# Allegro board F429_PACK_V10A.brd (continued)
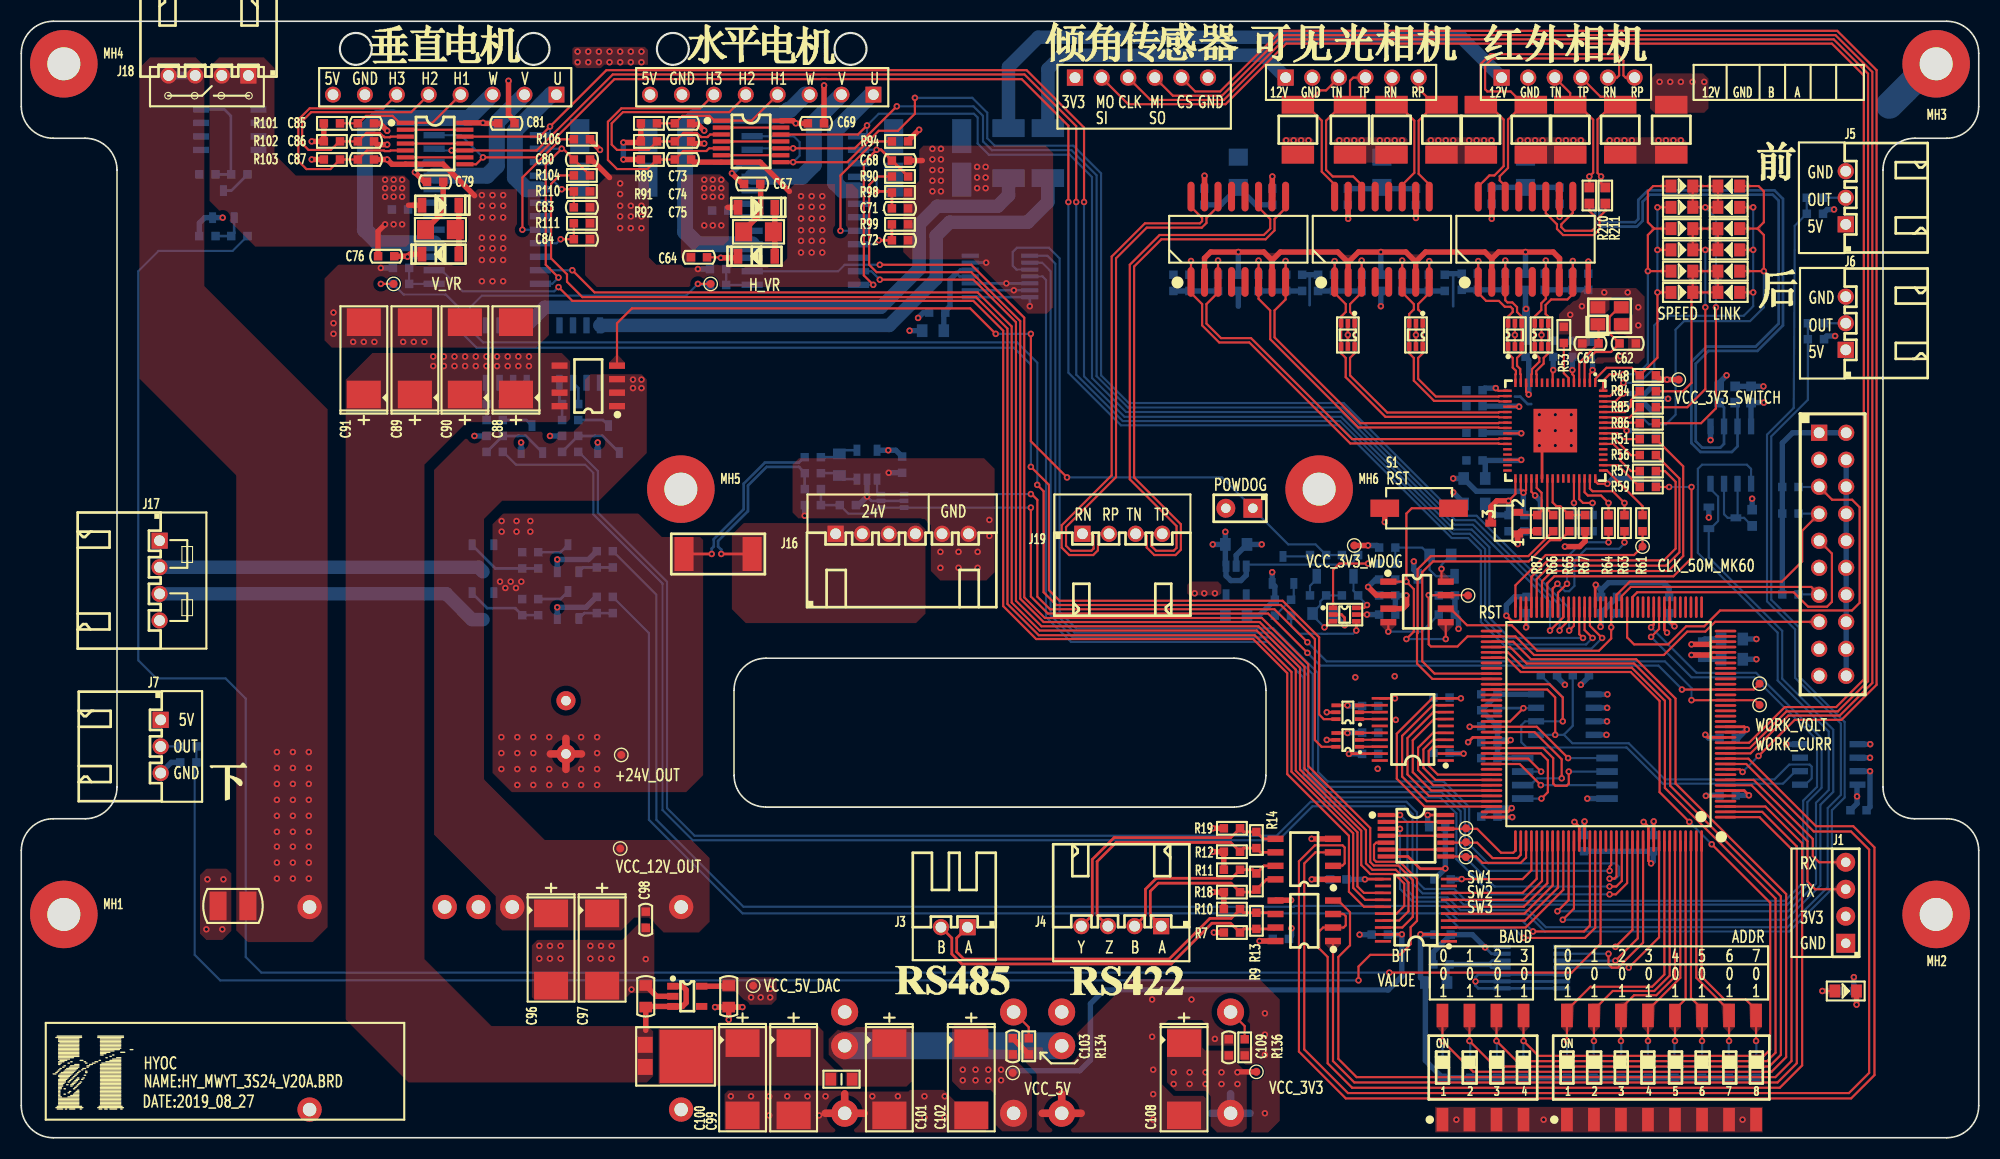
[diagram p0: board, top side]
## Routing (per net, layer and track width the routed paths; a pad name or vN(x,y) marks a point on that pad's centre or on a via; arc(x,y) is an arc through that point) (continued)
  TOP w0.203: J2.15 159.22,48.52 158.3,47.6 156.6,47.6 154.4,45.4 142.2,45.4 140.45,47.15 U2.74 135.95,47.15 135,46.2 132.5,46.2 132.3,46.4 v1(132.3,51.03) U12.7 135.97,51.03 TP3.1
  BOTTOM w0.203: R21.2 132.33,51 v1(132.3,51.03)
T_RXN: length 47
  TOP w0.203: T3.14 112.5,87.59 111.41,86.5 111.41,86.03 110.97,85.59 105.79,85.59 102.91,82.71 102.91,62.13 98.21,57.43 98.21,55.67 98.67,55.21 100.59,55.21 100.8,55.41 100.8,56.6 100.59,56.8 J19.1
T_RXP: length 48.3
  TOP w0.203: T3.16 109.95,87.55 111,86.5 111,86.2 110.8,86 105.62,86 102.5,82.87 102.5,62.3 97.8,57.6 97.8,55.5 98.5,54.8 100.76,54.8 101.2,55.24 101.2,56.6 101.41,56.8 J19.2
T_TXN: length 52.6
  TOP w0.203: T3.9 118.84,87.44 117.81,86.4 117.81,85.33 116.97,84.49 107.17,84.49 104.61,81.93 104.61,62.09 109,57.7 109,55.3 108.5,54.8 106.5,54.8 105.8,55.5 105.8,56.6 105.59,56.8 J19.3
T_TXP: length 51.3
  TOP w0.203: J19.4 106.41,56.8 106.2,56.6 106.2,55.67 106.67,55.21 108.33,55.21 108.59,55.47 108.59,57.53 104.2,61.93 104.2,82.1 107,84.9 116.8,84.9 117.4,85.5 117.4,86.4 116.31,87.5 T3.11
TXN1: length 15.2
  TOP w0.203: v1(145.84,82.45) T1.8 145.84,79.34 145.34,78.84 143.81,78.84 143.29,78.31 143.29,77.47 143.53,77.23 U16.4 U16.3 143.53,73.77 143.1,73.34 143.1,72.8 142.41,72.11 142.41,71.82 142.45,71.78 U15.12
  BOTTOM w0.203: R62.2 145.84,81.31 v1(145.84,82.45)
TXN2: length 29.8
  TOP w0.203: U15.22 138.91,67.75 138.87,67.8 128.23,67.8 124.5,71.53 124.5,73.34 124.06,73.77 U18.4 U18.3 124.06,77.23 124.5,77.66 124.5,78.4 123.45,79.44 T2.1 v1(123.45,82.44)
  BOTTOM w0.203: R68.2 123.45,81.22 v1(123.45,82.44)
TXN3: length 34.2
  TOP w0.203: v1(118.84,82.45) T3.8 118.84,78.84 117.81,77.8 117.81,75.27 125.87,67.2 138.87,67.2 138.91,67.25 U15.23
  BOTTOM w0.203: R79.2 118.84,81.22 v1(118.84,82.45)
TXN3_A: length 9.3
  TOP w0.203: T1.9 145.84,86.98 144.76,85.9 144.76,85.64 145.1,85.3 147.65,85.3 147.95,85.6 147.95,86.62 147.4,87.17 R210.1
TXP1: length 13.7
  TOP w0.203: U15.13 141.95,71.78 142,71.84 142,72.28 142.7,72.97 142.7,73.34 142.26,73.77 142.26,77.23 142.88,77.84 142.88,78.48 143.31,78.91 T1.6 v1(143.31,82.5)
  BOTTOM w0.203: R58.2 143.31,81.37 v1(143.31,82.5)
TXP2: length 29.2
  TOP w0.203: v1(126,82.5) T2.3 126,79.5 124.91,78.41 124.91,77.66 125.33,77.23 U18.1 U18.6 125.33,73.77 124.9,73.34 124.9,71.7 128.4,68.2 138.87,68.2 138.91,68.25 U15.21
  BOTTOM w0.203: v1(126,82.5) 126,81.17 R70.2
TXP3: length 34.9
  TOP w0.203: U15.24 138.91,66.75 138.87,66.8 125.7,66.8 117.4,75.1 117.4,77.8 116.31,78.89 T3.6 v1(116.31,82.5)
  BOTTOM w0.203: v1(116.31,82.5) 116.31,81.17 R77.2
TXP3_A: length 10.6
  TOP w0.203: R211.1 148.9,87.17 148.35,86.62 148.35,85.43 147.82,84.89 144.93,84.89 144.36,85.47 144.36,85.9 143.31,86.95 T1.11
UART1_RD#: length 93.6
  TOP w0.203: U2.3 163.95,31.15 167.4,27.7 167.4,6.8 165.3,4.7 125.1,4.7 122.8,7 122.8,17 122,17.8 122,19.4 122.37,19.77 U8.2 124.3,19.77 124.5,19.97 124.5,20.84 124.3,21.04 U8.3
UART1_RX: length 84.9
  TOP w0.203: U8.1 123.3,7.21 125.31,5.2 165.09,5.2 166.9,7.01 166.9,27.39 163.64,30.65 U2.2
UART1_TX: length 87.6
  TOP w0.203: U8.4 123.79,22.31 124.9,21.2 124.9,18.1 123.8,17 123.8,7.41 125.51,5.7 164.89,5.7 166.4,7.21 166.4,27.15 163.4,30.15 U2.1
UART3_RX: length 15.4
  TOP w0.203: J1.4 168.99,25.91 168.4,26.5 168.4,28.1 162.85,33.65 U2.8
UART3_TX: length 17.6
  TOP w0.203: U2.7 162.64,33.15 167.9,27.89 167.9,24.1 168.63,23.37 J1.3
UART4_RX: length 83.7
  TOP w0.203: U2.119 145.45,22.35 v1(144.4,21.3)
  BOTTOM w0.203: U45.1 162.6,62.9 162.2,63.3 158,63.3 157.6,62.9 157.6,61.46 157.61,61.45 157.61,60.95 157.6,60.94 157.6,55 165.1,47.5 165.1,43 169.9,38.2 169.9,32.7 168.7,31.5 168.7,23.9 166.1,21.3 v1(144.4,21.3)
UART4_TX: length 77.3
  TOP w0.203: U2.120 145.95,21.55 v1(144.9,20.5)
  BOTTOM w0.203: Q24.1 158.62,57.28 ; Q24.1 158.62,57.28 158.62,54.58 165.52,47.68 165.52,43.18 170.32,38.38 170.32,32.52 169.12,31.32 169.12,23.72 165.9,20.5 v1(144.9,20.5) ; Q24.1 158.78,57.28 159.5,58 159.5,60.3 158.79,61.01 U45.4
UART5_RX: length 121.3
  TOP w0.203: U9.2 123.33,25.6 124.2,25.6 124.4,25.8 124.4,27.3 124.2,27.5 121.6,27.5 120.1,26 120.1,8.1 124.5,3.7 172.01,3.7 174.2,5.89 174.2,27.3 172.2,29.3 168.7,29.3 162.35,35.65 U2.12
UART5_TX: length 114
  TOP w0.203: U2.11 162.14,35.15 168.49,28.8 172,28.8 173.7,27.1 173.7,6.1 171.8,4.2 124.71,4.2 120.6,8.31 120.6,25.79 121.65,26.84 U9.3
V_BRK: length 138.1
  TOP w0.203: U1.15 126.21,21.73 124.8,23.14 124.8,28.4 119,34.2 119,43.7 115.8,46.9 95.4,46.9 92.3,50 92.3,75.9 89.5,78.7 51.8,78.7 v1(50.5,80)
  BOTTOM w0.203: v1(50.5,80) 50.1,79.6 41.5,79.6 39.52,81.58 U21.14
V_DIAG: length 20.9
  TOP w0.203: v1(50.5,80.9) 49.3,82.1 49.3,91.52 v1(50.8,93.02) 50.92,93.02 C80.1 51.96,92 R104.2
  BOTTOM w0.203: U21.12 49.91,80.31 v1(50.5,80.9) ; v1(50.8,93.02) U21.2
V_EN: length 136.7
  TOP w0.203: R104.1 50.6,90.5 49.8,89.7 49.8,82.7 51.3,81.2 51.3,80.5 52.74,79.06 89.74,79.06 92.7,76.1 92.7,50.2 95.64,47.26 115.94,47.26 119.4,43.8 119.4,34.43 125.2,28.63 125.2,23.5 126.33,22.38 U1.14
V_ENCODER_CLK: length 110.6
  TOP w0.203: v1(149.3,23.63) 149.93,23.63 150.45,24.15 U2.129
  BOTTOM w0.203: U55.2 95.95,82.3 96.75,81.5 96.75,49.15 98.85,47.05 117.35,47.05 120.95,43.45 120.95,34.1 122.55,32.5 133.5,32.5 135.3,30.7 135.3,26.8 138.47,23.63 v1(149.3,23.63)
V_ENCODER_CSN: length 108.2
  TOP w0.203: U2.127 149.45,25.65 149.3,25.5 v1(149.3,25.1)
  BOTTOM w0.203: v1(149.3,25.1) 137.9,25.1 135.7,27.3 135.7,30.9 133.6,33 122.7,33 121.4,34.3 121.4,43.6 117.5,47.5 99,47.5 97.2,49.3 97.2,82.2 96.45,82.95 U55.1
V_ENCODER_MISO: length 117.2
  TOP w0.203: v1(149.3,24.36) 149.75,24.36 149.95,24.57 U2.128
  BOTTOM w0.203: U55.3 93.55,81.65 93.2,82 93.2,83.3 93.6,83.7 96.6,83.7 97.6,82.7 97.6,49.46 99.15,47.9 117.7,47.9 121.9,43.7 121.9,34.4 122.8,33.5 133.7,33.5 136.1,31.1 136.1,27.6 137.9,25.8 149.87,25.8 150.2,25.47 150.2,24.69 149.87,24.36 v1(149.3,24.36)
V_ENCODER_MOSI: length 111.2
  TOP w0.203: v1(149.3,22.89) 149.89,22.89 150.95,23.95 U2.130
  BOTTOM w0.203: v1(149.3,22.89) 138.21,22.89 134.9,26.2 134.9,30.5 133.4,32 122.43,32 120.53,33.9 120.53,43.27 117.17,46.63 98.67,46.63 96.33,48.97 96.33,80.67 96,81 U55.4
V_F/R: length 127.2
  TOP w0.203: v1(51.8,81.58) 53.88,79.5 89.9,79.5 93.1,76.3 93.1,50.33 95.73,47.7 116.13,47.7 119.8,44.03 119.8,34.53 125.6,28.73 125.6,23.64 126.21,23.02 U1.13
  BOTTOM w0.203: U21.11 v1(51.8,81.58)
V_H1: length 152
  TOP w0.203: U2.60 146.45,47.35 v1(146.8,47) ; v1(99.9,88) 99.9,95 94.5,100.4 55,100.4 v1(49.7,95.1) 48.75,94.15 U22.12
  BOTTOM w0.203: U21.1 49.5,94.28 49.7,94.49 v1(49.7,95.1) ; v1(146.8,47) 139.9,47 138,48.9 138,55.53 136.33,57.2 134.67,57.2 124.07,67.8 103.7,67.8 99.9,71.6 v1(99.9,88)
V_H2: length 155.2
  TOP w0.203: v1(99.16,88) 99.16,95.14 94.3,100 55.6,100 48.45,92.85 U22.10 v1(40.45,92.85) ; U2.59 146.95,47.75 v1(147.7,47)
  BOTTOM w0.203: v1(99.16,88) 99.16,71.77 103.53,67.4 123.97,67.4 134.57,56.8 136.17,56.8 137.6,55.37 137.6,48.7 139.91,46.39 147.09,46.39 v1(147.7,47) ; U21.23 38.97,92.85 v1(40.45,92.85)
V_H3: length 159.2
  TOP w0.203: U22.8 42.75,91.55 v1(43.4,92.2) 48.4,92.2 55.75,99.55 75.19,99.55 75.21,99.57 75.71,99.57 75.73,99.55 94.05,99.55 98.43,95.17 v1(98.43,88) ; U2.58 147.45,48.15 v1(148.6,47)
  BOTTOM w0.203: v1(43.4,92.2) 41.31,94.28 U21.24 ; v1(148.6,47) 147.6,46 139.7,46 137.2,48.5 137.2,55.2 136,56.4 134.46,56.4 123.86,67 103.37,67 98.43,71.94 v1(98.43,88)
V_MOTOR_U: length 12.6
  BOTTOM w1.5: U21.5 47.49,89.2 46.4,90.3 46.4,94.7 49.8,98.1 J15.1
V_MOTOR_V: length 14.1
  BOTTOM w1.5: J15.2 44.7,95.5 44.7,91.4 43.77,90.47 U21.21
V_MOTOR_W: length 29.8
  BOTTOM w1.5: J15.3 44.27,98.1 42.07,95.9 34.98,95.9 34.92,95.96 33.88,95.96 33.82,95.9 33.5,95.9 32.3,94.7 32.3,85.4 33.58,84.12 U21.16
V_VR: length 124.8
  TOP w0.203: v1(94.9,63.1) 96.6,61.4 96.6,51.5 97.6,50.5 118.57,50.5 122,47.07 122,39.8 122.44,39.37 U5.6 ; v1(33.8,80.3) TP2.1
  BOTTOM w0.203: v1(94.9,63.1) 94.9,72.7 93.3,74.3 42.8,74.3 41.1,76 41.1,78.1 39.9,79.3 35.94,79.3 R108.1 v1(33.8,80.3)
VERT_H1: length 13
  TOP w0.203: R101.2 C85.1 31.7,95.4 32.4,96.1 34.9,96.1 35.55,95.45 U22.1 38.65,95.45 J15.4
VERT_H2: length 25.8
  TOP w0.203: U22.3 34.71,94.15 34.65,94.09 34.15,94.09 34.09,94.15 34.05,94.15 33.7,94.5 32.44,94.5 C86.1 R102.2 29.9,93.7 29.1,92.9 27,92.9 26.4,93.5 26.4,95.6 27.26,96.46 36.66,96.46 J15.5
VERT_H3: length 25.3
  TOP w0.203: J15.6 34.01,96.81 27.11,96.81 26.04,95.75 26.04,91.86 26.8,91.1 29.06,91.1 R103.2 C87.1 32.49,92.85 34.09,92.85 34.15,92.79 34.65,92.79 34.71,92.85 U22.5
W25B_CLK: length 13.4
  TOP w0.203: U2.92 142.24,38.15 144.8,35.59 v1(144.8,33.8)
  BOTTOM w0.203: v1(144.8,33.8) 142.5,33.8 141.87,33.16 U7.6
W25B_CS#: length 15.2
  TOP w0.203: v1(136.15,38.65) U2.91 142.46,38.65 v1(145.41,35.7)
  BOTTOM w0.203: R8.2 136.2,38.7 v1(136.15,38.65) ; U7.1 v1(145.41,35.7)
W25B_DI: length 11.2
  TOP w0.203: v1(142.9,31.89) 143.5,32.5 143.5,35.49 142.84,36.15 U2.96
  BOTTOM w0.203: 141.14,31.89 v1(142.9,31.89)
W25B_DO: length 15
  TOP w0.203: U2.95 143.05,36.65 144,35.7 144,33.3 144.2,33.1 145.26,33.1 145.47,33.3 v1(145.47,34.44)
  BOTTOM w0.203: 149.06,34.44 v1(145.47,34.44)
W25B_HOLD#: length 6.9
  TOP w0.203: v1(142.87,34.44) 141.65,35.65 U2.97
  BOTTOM w0.203: 141.14,34.44 v1(142.87,34.44)
W25B_WP#: length 11.7
  TOP w0.203: v1(142.84,33.16) 140.85,35.15 U2.98
  BOTTOM w0.203: U7.3 v1(142.84,33.16)
WDI_INPUT_A: length 22.2
  TOP w0.203: U2.54 v1(149.45,48) 149.45,46.95 148.3,45.8 142.5,45.8 140.1,48.2 135.9,48.2 134.34,49.76 U12.6
  BOTTOM w0.203: R22.2 149.45,48.79 v1(149.45,48)
WORK_CURR: length 98.5
  TOP w0.203: v1(120.9,46.6) 117.8,49.7 96.7,49.7 95.51,50.89 95.51,59.99 94.97,60.53 v1(94.9,60.53) ; TP9.1 162.95,41.15 U2.23 v1(157,41.15)
  BOTTOM w0.203: v1(157,41.15) 157,42.3 154.5,44.8 122.7,44.8 v1(120.9,46.6) ; U23.1 80.45,60.74 80.65,60.53 U57.3 U57.4 v1(94.9,60.53)
WORK_VOLT: length 102.5
  TOP w0.203: v1(94.9,59.27) 94.9,50.9 96.5,49.3 117.2,49.3 v1(120.9,45.6) ; v1(156.1,42.15) U2.25 162.85,42.15 TP10.1
  BOTTOM w0.203: v1(120.9,45.6) 122.1,44.4 153.9,44.4 156.1,42.2 v1(156.1,42.15) ; v1(94.9,59.27) U57.6 U57.1 80.56,59.27 80,58.7 77.74,58.7 C94.1
  BOTTOM w0.254: C94.1 R124.2 R119.1
XTAL_IN: length 10.3
  TOP w0.203: U15.3 146.95,72.89 147.96,73.9 149.44,73.9 C62.2 149.3,75.64 149.3,77.2 150.2,78.1 X1.3
XTAL_OUT: length 6.3
  TOP w0.203: X1.1 148.26,76.44 C61.2 146.45,72.89 U15.4
N11711860: length 20.4
  BOTTOM w2.54: U26.2 U48.2
N11712694: length 2.6
  TOP w0.203: v1(169.3,13.8) D22.1
  BOTTOM w0.508: R135.1 v1(169.3,13.8)
N11722110: length 3.8
  BOTTOM w0.203: Q2.1 119.62,50.85 R33.2 117.86,49.1 R31.2
N11722176: length 6.5
  TOP w0.203: v1(122.5,48) 123.06,48.56 123.31,48.56
  BOTTOM w0.203: v1(122.5,48) 121.38,49.12 C28.1 121.38,49.38 122.1,50.1 122.1,50.44 R30.2 R35.2
N11722192: length 4.3
  TOP w0.203: v1(126.5,50.1) 126.23,49.84 U13.6
  BOTTOM w0.203: v1(126.5,50.1) 125.66,50.94 R35.1 125.23,51.44 125.23,52.8
N11722284: length 9
  BOTTOM w0.203: D1.1 133,52.8 132.38,53.42 C25.2 131.68,55.5 R27.2 R26.2
N11722392: length 88.3
  TOP w0.203: v1(91.6,75.6) 89.2,78 57.4,78 56,76.6 Q1.4 ; v1(98.3,62.1) 94.9,65.5 v1(94.9,75.6)
  BOTTOM w0.203: v1(91.6,75.6) v1(94.9,75.6) ; v1(98.3,62.1) 112.87,62.1 J8.1 115.77,59.13 119.1,55.8 121.66,55.8 R28.1 R25.2
N11722646: length 8.1
  TOP w0.203: U13.1 123.31,53.41 123.9,54 v1(126.6,54)
  BOTTOM w0.203: R26.1 v1(126.6,54)
N11722728: length 25.1
  TOP w0.203: U12.5 v1(133.9,46.9) ; v1(130.2,52.3) 130.2,58.7 130.7,59.2 S1.2 ; v1(130.2,52.3) 130.9,51.6 130.9,47.6 v1(130.2,46.9) ; v1(130.2,52.3) U12.1
  BOTTOM w0.203: R23.2 129.36,52.3 v1(130.2,52.3) ; v1(133.9,46.9) v1(130.2,46.9)
N11767334: length 2.1
  BOTTOM w0.203: R30.1 121.14,51.9 121.77,52.53 D2.2
N11931140: length 7.8
  BOTTOM w0.508: R74.2 112.76,87.74 C46.2 116.04,87.74 R78.2
N11931232: length 6.4
  BOTTOM w0.508: R60.2 144.58,89.38 C36.2 138.22,89.38 R55.2
N11931330: length 3.2
  TOP w0.508: v1(144.6,86.6) 144.6,88.49 T1.10
  BOTTOM w0.508: R60.1 v1(144.6,86.6)
N11931334: length 3.5
  TOP w0.508: T1.15 v1(138.22,86.42)
  BOTTOM w0.508: R55.1 138.22,87.81 v1(138.22,86.42)
N11931416: length 6.5
  BOTTOM w0.508: R69.2 127.78,89.26 C42.2 128.02,89.26 R73.2
N11931578: length 3.3
  TOP w0.508: T2.10 131.1,88.49 v1(131.1,86.5)
  BOTTOM w0.508: R73.1 v1(131.1,86.5)
N11931582: length 3.4
  TOP w0.508: 124.72,88.51 v1(124.72,86.42)
  BOTTOM w0.508: v1(124.72,86.42) 124.72,87.71 R69.1
N11932264: length 3
  TOP w0.508: v1(117.6,90.4) 117.6,88.54 T3.10
  BOTTOM w0.508: R78.1 v1(117.6,90.4)
N11932268: length 3.2
  TOP w0.508: 111.22,88.51 v1(111.22,90.47)
  BOTTOM w0.508: R74.1 111.22,89.29 v1(111.22,90.47)
N12115512: length 8.4
  TOP w0.203: v1(125.49,47.7) 125.49,48.56
  BOTTOM w0.203: v1(125.49,47.7) 125.19,47.4 122.76,47.4 122.75,47.39 122.25,47.39 122.24,47.4 120.1,47.4 119.36,48.14 R31.1
N16627096: length 3.1
  TOP w0.203: U26.4 94.7,10.4 R134.2
N16779903: length 6.3
  TOP w0.203: U12.4 v1(128.5,47.6)
  BOTTOM w0.203: v1(128.5,47.6) 131.64,47.6 R24.2
N16910912: length 3.9
  TOP w0.203: R53.2 145,71.9 145.45,71.45 U15.6
N16915241: length 4.1
  BOTTOM w0.508: R52.1 R50.1 C32.1
N16915682: length 4.1
  BOTTOM w0.508: R58.1 R62.1 C33.1
N16919612: length 4.1
  BOTTOM w0.508: R70.1 R68.1 C37.1
N16919861: length 4
  BOTTOM w0.508: C38.1 R75.1 R71.1
N16921046: length 4.2
  BOTTOM w0.508: R76.1 R72.1 C39.1
N16921083: length 4.1
  BOTTOM w0.508: R77.1 R79.1 C43.1
N16962540: length 21
  TOP w0.203: D8.2 D14.2 D13.2 D7.2 D8.2 ; D8.2 157,79.38 157,71 156.2,70.2 R84.2
N16962542: length 27.2
  TOP w0.203: R85.2 156.6,68.7 158.3,70.4 v1(158.3,78.1) ; D11.2 D5.2 D6.2 v1(158.3,83.5) D12.2 D11.2
  BOTTOM w0.203: v1(158.3,78.1) v1(158.3,83.5)
N16962544: length 34.3
  TOP w0.203: R86.2 157.9,67.2 159.3,68.6 v1(159.3,78.1) ; D4.2 D3.2 D9.2 D10.2 v1(158.3,87.5) D4.2
  BOTTOM w0.203: v1(159.3,78.1) 159.3,86.5 v1(158.3,87.5)
N16985345: length 3.7
  BOTTOM w0.254: R115.1 76.58,64 C93.2 77.24,64.65 U23.4
N16985349: length 3.6
  BOTTOM w0.254: U23.3 77.24,61.95 C93.1 76.68,62.5 R114.1
N17031352: length 1.9
  TOP w0.203: U4.1 125.79,36.77 U3.18
N17031354: length 1.9
  TOP w0.203: U3.17 125.79,37.42 U4.2
N17031356: length 1.9
  TOP w0.203: 127.7,38.08 125.79,38.08 U4.3
N17031358: length 1.9
  TOP w0.203: U3.14 125.79,39.38 U5.1
N17031360: length 1.9
  TOP w0.203: U5.2 125.79,40.02 U3.13
N17031362: length 1.9
  TOP w0.203: U5.3 125.79,40.67 U3.12
N17036272: length 120.9
  TOP w0.203: U14.1 v1(129.6,30.35)
  BOTTOM w0.203: v1(129.6,30.35) 130.3,29.65 130.3,23.27 130.97,22.6 134.07,22.6 135.27,21.4 141.7,21.4 143.3,19.8 166.03,19.8 169.8,23.57 169.8,31 171.04,32.24 171.04,38.95 166.74,43.25 166.74,47.8 164.1,50.44 164.1,66.13 166.61,68.64 166.7,83.5 166.7,85.76 C29.1 R29.2
N17036274: length 108.8
  TOP w0.203: U14.3 v1(129.6,29.05)
  BOTTOM w0.203: R32.2 C30.1 167.94,69.4 164.5,65.96 164.5,50.6 167.1,48 167.1,43.4 171.4,39.1 171.4,32 170.2,30.8 170.2,23.4 166.2,19.4 143.2,19.4 141.59,21.01 135.09,21.01 133.9,22.2 130.8,22.2 129.6,23.4 v1(129.6,29.05)
N17036284: length 150.9
  TOP w0.203: v1(125.7,14.8) 125.7,16.1 126.8,17.2 129.6,17.2 130.6,18.2 130.6,19.8 131.2,20.4 131.2,24.33 129.58,25.96 127.36,25.96 127.16,26.16 127.16,27.55 127.36,27.75 U14.5
  BOTTOM w0.203: v1(125.7,14.8) 18.7,14.8 16.3,17.2 16.3,35.14 C31.1 R34.2
N17036342: length 5.6
  TOP w0.203: U14.13 U14.2
N17036352: length 5.6
  TOP w0.203: U14.4 U14.11
N17036362: length 5.6
  TOP w0.203: U14.9 U14.6
N17099824: length 3.4
  BOTTOM w0.254: Q13.1 52.82,53.64 R131.2 R129.1
N17100065: length 7.2
  BOTTOM w0.254: R127.2 R125.1 44.56,53.54 42.38,55.72 Q7.1
N17100313: length 3.4
  BOTTOM w0.254: Q14.1 52.92,49.34 R132.2 R130.1
N17100347: length 7.1
  BOTTOM w0.254: Q8.1 42.38,51.22 43.8,49.8 46.44,49.8 R126.1 R128.2
N17116006: length 5.8
  TOP w0.254: v1(80.4,89) 81.74,89 R98.1 C71.1
  BOTTOM w0.203: U19.4 80.03,90.38 80.4,90 v1(80.4,89)
N17116022: length 4.8
  TOP w0.254: v1(80.6,84.4) C72.1 R99.1
  BOTTOM w0.203: U19.9 80.22,84.03 v1(80.6,84.4)
N17116036: length 5.9
  TOP w0.203: C64.1 65.71,82.8 v1(65.75,82.75)
  TOP w0.508: D15.2 67.23,82.75 v1(65.75,82.75)
  BOTTOM w0.508: U19.15 v1(65.75,82.75)
N17116160: length 4.7
  TOP w0.508: D16.2 70.83,85.33 R88.2 70.83,85.07 D15.1
N17116166: length 3.8
  TOP w0.508: v1(66.8,90.7) 67.8,89.7 C67.2
  BOTTOM w0.508: v1(66.8,90.7) 67.75,91.64 68.7,91.64
N17116214: length 13.1
  TOP w0.203: R94.2 80.2,93.7 77,90.5 v1(77,85.3)
  BOTTOM w0.203: U19.8 v1(77,85.3)
N17116366: length 3.9
  BOTTOM w0.203: C70.1 R96.2 68.69,80.2 U19.13
N17116407: length 5.6
  TOP w0.203: U20.2 U20.13
N17116421: length 5.6
  TOP w0.203: U20.4 U20.11
N17116431: length 5.6
  TOP w0.203: U20.6 U20.9
N17123231: length 5.2
  TOP w0.203: C83.1 R110.1 51.74,89.2 v1(50.8,89.2)
  BOTTOM w0.203: U21.4 49.52,90.47 v1(50.8,89.2)
N17123235: length 4.8
  TOP w0.203: R111.1 C84.1 v1(50.7,84.5)
  BOTTOM w0.203: v1(50.7,84.5) 50.33,84.12 U21.9
N17123241: length 5.2
  TOP w0.508: C76.1 36.26,82.9 v1(36.3,82.86) 36.55,83.1 D17.2
  BOTTOM w0.508: 38.8,82.86 v1(36.3,82.86)
N17123333: length 4.9
  TOP w0.508: 41.13,87.7 41.13,85.73 R100.2 41.13,85.07 D17.1
N17123339: length 3.7
  TOP w0.508: C79.2 37.9,89.9 v1(37,90.8)
  BOTTOM w0.508: U21.22 37.95,91.75 v1(37,90.8)
N17123383: length 12.9
  TOP w0.203: R106.2 50.7,93.9 47.1,90.31 v1(47.1,85.39)
  BOTTOM w0.203: U21.8 v1(47.1,85.39)
N17123476: length 3.8
  BOTTOM w0.203: U21.13 38.78,80.3 R108.2 C82.1
N17123541: length 5.6
  TOP w0.203: U22.2 U22.13
N17123555: length 5.6
  TOP w0.203: U22.4 U22.11
N17123565: length 5.6
  TOP w0.203: U22.9 U22.6
N17144203: length 3.1
  BOTTOM w0.254: Q13.3 50.69,55.06 R127.1
N17144234: length 3.1
  BOTTOM w0.254: R128.1 50.69,50.66 Q14.3
N17149648: length 2.6
  BOTTOM w0.203: Q2.3 121.01,54.67 R28.2
N17182830: length 3.1
  TOP w0.203: R136.2 115,10.5 U48.4
N17192056: length 10
  BOTTOM w0.254: R139.2 R140.1 19.7,90.64 19.7,96.1 19.09,96.71 Q12.4
N17192076: length 2.9
  BOTTOM w0.254: R140.2 19.73,89.07 Q11.3
N17192110: length 3.3
  BOTTOM w0.254: Q11.1 20.02,85.08 R141.2 R137.2
N17193783: length 51.7
  BOTTOM w1.27: 54.5,76.3 Q3.8 81.6,76.4 86,80.8 86,84.83 87.27,86.1 94.6,86.1 96.5,88 F1.1
N17193809: length 54.5
  BOTTOM w1.27: Q4.8 49.2,78.1 80.8,78.1 84.4,81.7 84.4,85.9 86.1,87.6 91.78,87.6 92.8,88.62 F2.1
N17193901: length 3.6
  BOTTOM w0.254: Q3.4 50.59,69.25 R112.1 R116.2
N17193907: length 3.5
  BOTTOM w0.254: R117.2 R113.1 43.69,69.05 Q4.4
N17193973: length 3.1
  BOTTOM w0.254: Q5.3 54.67,67.5 R116.1
N17193975: length 3
  BOTTOM w0.254: Q6.3 47.47,67.5 R117.1
N17194039: length 6.7
  BOTTOM w0.254: R120.1 52.34,66 R122.2 53.9,66 53.92,66.02 54.63,66.02 Q5.1
N17194047: length 6.6
  BOTTOM w0.254: R121.1 43.76,64.5 R123.2 46.7,66 46.72,66.02 47.43,66.02 Q6.1
N17210525: length 8.3
  BOTTOM w0.254: U54.11 138.2,16 137.9,16.3 138.25,16.65 U54.12
  BOTTOM w0.508: L8.1 134.02,16.05 C110.2 137.9,16.3
N17212104: length 8.8
  BOTTOM w0.254: U55.12 88.25,81.65 87.9,81.3 88.2,81 U55.11
  BOTTOM w0.508: 87.9,81.3 87.3,80.7 87.3,78.2 86.86,77.76 C111.2 86.72,77.45 L9.1
N17265370: length 9.2
  BOTTOM w0.203: Q24.3 161.33,58.46 U45.2 ; Q24.3 160.4,58.3 160.06,58.64 U45.3 ; Q24.3 161.94,58.3 R207.2
N171161460: length 5.2
  TOP w0.508: R88.1 67.9,85.3 69.5,86.9 69.5,89.66 C67.1
N171233290: length 5.2
  TOP w0.508: R100.1 39.66,87.06 C79.1

## Copper pours and planes (outline as drawn; the poured copper is in the pictures)
+24V_OUT on TOP: 12.1,101.6 16.4,101.6 17.2,100.8 17.2,80.1 28.8,68.5 28.8,19.8 27.4,18.4 21.3,18.4 20.2,19.5 20.2,62.3 11.1,71.4 11.1,100.6
+24V_OUT on TOP: 63.8,56.5 64.1,56.2 64.1,34.1 62.5,32.5 46.1,32.5 44.3,34.3 44.3,57.7 45.3,58.7 58,58.7 60.2,56.5
+24V_OUT on BOTTOM: 54,38.6 24.8,38.6 22.4,36.2 22.4,19.7 24.2,17.9 30.8,17.9 41.7,28.8 53.7,28.8 54.8,29.9 54.8,37.8
+24V_OUT on BOTTOM: 47.5,54.6 44.7,54.6 43.9,55.4 43.9,57.8 44.5,58.4 48.4,58.4 48.6,58.2 48.6,56.4 47.5,55.3
+24V_OUT on BOTTOM: 44,50.7 44,52.3 44.6,52.9 47.2,52.9 47.5,52.6 47.5,50.2 44.5,50.2
+24V_OUT on BOTTOM: 12.5,101.6 16.4,101.6 17.2,100.8 17.2,98.9 15.6,97.3 15.6,96 15.9,95.7 17.6,95.7 17.7,95.6 17.7,91.8 17.2,91.3 17.2,90 16.9,89.7 12.5,89.7 11.2,91 11.2,100.3
GND on TOP: 73.1,63.9 90.5,63.9 91.5,62.9 91.5,53.2 90.7,52.4 86.4,52.4 85.5,53.3 85.5,57.6 84.9,58.2 73.1,58.2 72.5,58.8 72.5,63.3
GND on TOP: 42.9,89.2 48.9,89.2 49.6,88.5 49.6,75.5 48.4,74.3 29.2,74.3 28.5,75 28.5,80.8 29.8,82.1 41.9,82.1 41.9,88.2
GND on TOP: 94.4,8.5 97.9,8.5 104.3,14.9 116.4,14.9 118.3,13 118.3,1.6 117.2,0.5 95.7,0.5 95.4,0.8 95.4,6.1 94.2,7.3 94.2,8.3
GND on TOP: 144.55,73.45 144.55,77.45 147,79.9 151.8,79.9 152.6,79.1 152.6,73.4 152,72.8 145.2,72.8
GND on TOP: 132.9,2.9 132.9,0.5 163.7,0.5 163.7,2.9
GND on TOP: 153.5,96.4 158.2,96.4 158.6,96.8 158.6,99.6 158.1,100.1 153.7,100.1 153.1,99.5 153.1,96.8
GND on TOP: 52,102.6 58.6,102.6 58.9,102.3 58.9,100.9 58.6,100.6 52.2,100.6 51.8,101 51.8,102.4
GND on TOP: 19.8,19.5 19.8,24.8 19.3,25.3 17.4,25.3 16.8,24.7 16.8,19.2 17.4,18.6 18.9,18.6
GND on TOP: 89.4,82.6 83.6,82.6 82.9,83.3 82.9,89.4 83.8,89.4 84.4,90 84.4,92.9 84.8,93.3 96.3,93.3 97,92.6 97,78.1 96.4,77.5 94.5,77.5
GND on TOP: 59.1,20.2 58.1,20.2 56.5,18.6 48.5,18.6 48,18.1 48,13.2 48.3,12.9 56.6,12.9 57.3,13.6 59.3,13.6 59.5,13.8 59.5,19.8
GND on TOP: 66.5,4.5 86.7,4.5 87.8,3.4 90.7,3.4 90.7,0.5 66.4,0.5 66.1,0.8 66.1,4.1
GND on TOP: 55.2,90.6 58.5,90.6 59,90.1 59,82.8 59.7,82.1 71.4,82.1 72,82.7 72,89 72.7,89.7 78.1,89.7 78.9,88.9 78.9,80.2 78.5,79.8 54.3,79.8 53,81.1 53,89.4 54,89.4
GND on BOTTOM: 29.5,78.2 38.7,78.2 39.1,77.8 39.1,74.5 38.9,74.3 29.6,74.3 28.9,75 28.9,77.6
GND on BOTTOM: 17.5,25.2 19.5,25.2 19.9,24.8 19.9,19 19.4,18.5 17.6,18.5 16.9,19.2 16.9,24.6
GND on BOTTOM: 107,81.7 108.7,81.7 108.7,80.7 107.8,80.7 107.4,80.3 107.4,78.9 107.8,78.5 147.1,78.5 148.5,79.9 152.1,79.9 152.4,79.6 152.4,73 151.9,72.5 151.9,69 154.6,66.3 154.6,57.5 153.7,56.6 142.7,56.6 142.7,56.5 141.5,55.3 140.4,55.3 135.2,60.5 135.2,72.6 132.9,74.9 107.4,74.9 106.3,76 106.3,81 ; 1 cut-out
GND on BOTTOM: 59,96.8 59,102 58.4,102.6 52,102.6 51.5,102.1 51.5,98.8 55.5,94.8 55.5,85.6 56.1,85 60.2,85 60.9,85.7 60.9,94.9
GND on BOTTOM: 66,87.7 67.2,87.7 67.7,88.2 69.9,88.2 71.1,89.4 75.7,89.4 76.9,88.2 79.6,88.2 79.7,88.1 79.7,86.2 77.3,86.2 77.1,86 77.1,82.7 76.4,82 70.8,82 70.3,82.5 70.3,85.9 69.9,86.3 67.6,86.3 67.2,86.7 66,86.7
GND on BOTTOM: 48.5,19.1 58.9,19.1 59.4,18.6 59.4,16.1 58.9,15.6 48.4,15.6 47.8,16.2 47.8,18.4
GND on BOTTOM: 86.1,58.8 91,58.8 91.5,58.3 91.5,53.1 90.8,52.4 86.4,52.4 85.5,53.3 85.5,58.2
GND on BOTTOM: 35.9,87.8 37.3,87.8 37.8,88.3 40.1,88.3 41,89.2 46.2,89.2 47.1,88.3 49.8,88.3 49.9,88.2 49.9,85.9 47.2,85.9 47.1,85.8 47.1,80.3 46.6,79.8 42.6,79.8 40.1,82.3 40.1,86.3 39.8,86.6 36.1,86.6 35.9,86.8
GND on BOTTOM: 137.1,44 123.8,44 122.4,42.6 122.4,35.3 123.6,34.1 137.2,34.1 137.7,34.6 137.7,43.4
GND on BOTTOM: 88.9,95.8 86.2,95.8 85.3,94.9 85.3,89.2 86,88.5 90.6,88.5 90.9,88.8 90.9,91.6 88.9,93.6
GND on L02-GND: 14.4,103.1 171.5,103.1 174.3,100.3 174.3,3.3 171.5,0.5 17.2,0.5 10.6,7.1 10.6,99.3 ; 49 cut-outs
GND_EARTH on TOP: 121.5,91.6 121.5,93.8 121.2,94.1 118.7,94.1 118.5,93.9 118.5,91.6
GND_EARTH on TOP: 132,91.6 132,93.8 132.3,94.1 138.4,94.1 138.7,93.8 138.7,91.6
GND_EARTH on TOP: 123.4,91.7 123.4,93.8 123.7,94.1 130.1,94.1 130.3,93.9 130.3,91.7
GND_EARTH on TOP: 140.4,91.6 140.4,93.8 140.7,94.1 146.8,94.1 147.1,93.8 147.1,91.6
GND_EARTH on TOP: 148.8,91.6 148.8,93.7 149.2,94.1 156.1,94.1 156.6,93.6 156.6,91.6
GND_EARTH on BOTTOM: 113.4,91.5 113.4,93.7 113.8,94.1 154.5,94.1 159,98.6 176.6,98.6 177.2,98 177.2,96.8 175.15,94.75 161.25,94.75 157.7,91.2 113.7,91.2
VCC_3.3V on TOP: 107.7,10.3 107.7,5.2 108.5,4.4 111.3,4.4 111.8,3.9 111.8,1.1 112.4,0.5 114.8,0.5 115.2,0.9 115.2,6.1 114,7.3 114,8.2 111.3,8.2 111,8.5 111,10.4 110.8,10.6 108,10.6
VCC_3.3V on BOTTOM: 108.1,7.3 114.5,7.3 116.3,5.5 116.3,1.8 115.9,1.4 108.2,1.4 107.4,2.2 107.4,6.6
VCC_3.3V on L03-VCC: 42.2,94.8 42.2,95.6 42.4,95.8 81.2,95.8 83.8,93.2 93.8,93.2 98,97.4 98,97.7 98.5,98.2 99.3,98.2 100.2,97.3 100.2,89.2 107.8,81.6 166.6,81.6 167.5,80.7 167.5,72.7 169.3,70.9 173.4,70.9 174.1,70.2 174.1,3.2 171.5,0.6 105.7,0.6 104.1,2.2 104.1,45 103.2,45.9 59,45.9 54.8,50.1 54.8,76.3 56.5,78 66.2,78 68.5,80.3 68.5,90 65.8,92.7 59.3,92.7 58,94 45.9,94 45.4,94.5 42.5,94.5 ; 11 cut-outs
VCC_3.3V_SWITCH on L03-VCC: 139.4,60.6 140.3,60.6 142,58.9 142.7,58.9 144.7,60.9 147.1,60.9 149,62.8 149,64.8 149.6,65.4 151.5,65.4 152,65.9 152,67.5 151.6,67.9 149.7,67.9 149.1,68.5 149.1,72.6 149.6,73.1 154.8,73.1 155.9,72 155.9,56.3 154.2,54.6 141,54.6 138.9,56.7 138.9,60.1
VCC_3.3V_WDOG on TOP: 112.5,50.9 109.9,50.9 109.6,51.2 109.6,52 109.9,52.3 112.5,52.3 112.8,52 112.8,51.2
VCC_3.3V_WDOG on BOTTOM: 113.6,51.6 110,51.6 109.5,51.1 109.5,48.8 109.9,48.4 113.8,48.4 113.8,51.4
VCC_3.3V_WDOG on L03-VCC: 110.1,50.1 119.3,50.1 124,54.8 129.8,54.8 130.5,54.1 130.5,50.3 130,49.8 125.8,49.8 125.6,49.6 125.6,48.8 125.9,48.5 131.2,48.5 131.9,49.2 131.9,55.4 131.1,56.2 123.4,56.2 118.9,51.7 110.2,51.7 109.9,51.4 109.9,50.3
